# Altium PCB Archimajor.PcbDoc (part 7 of 13) (continued)
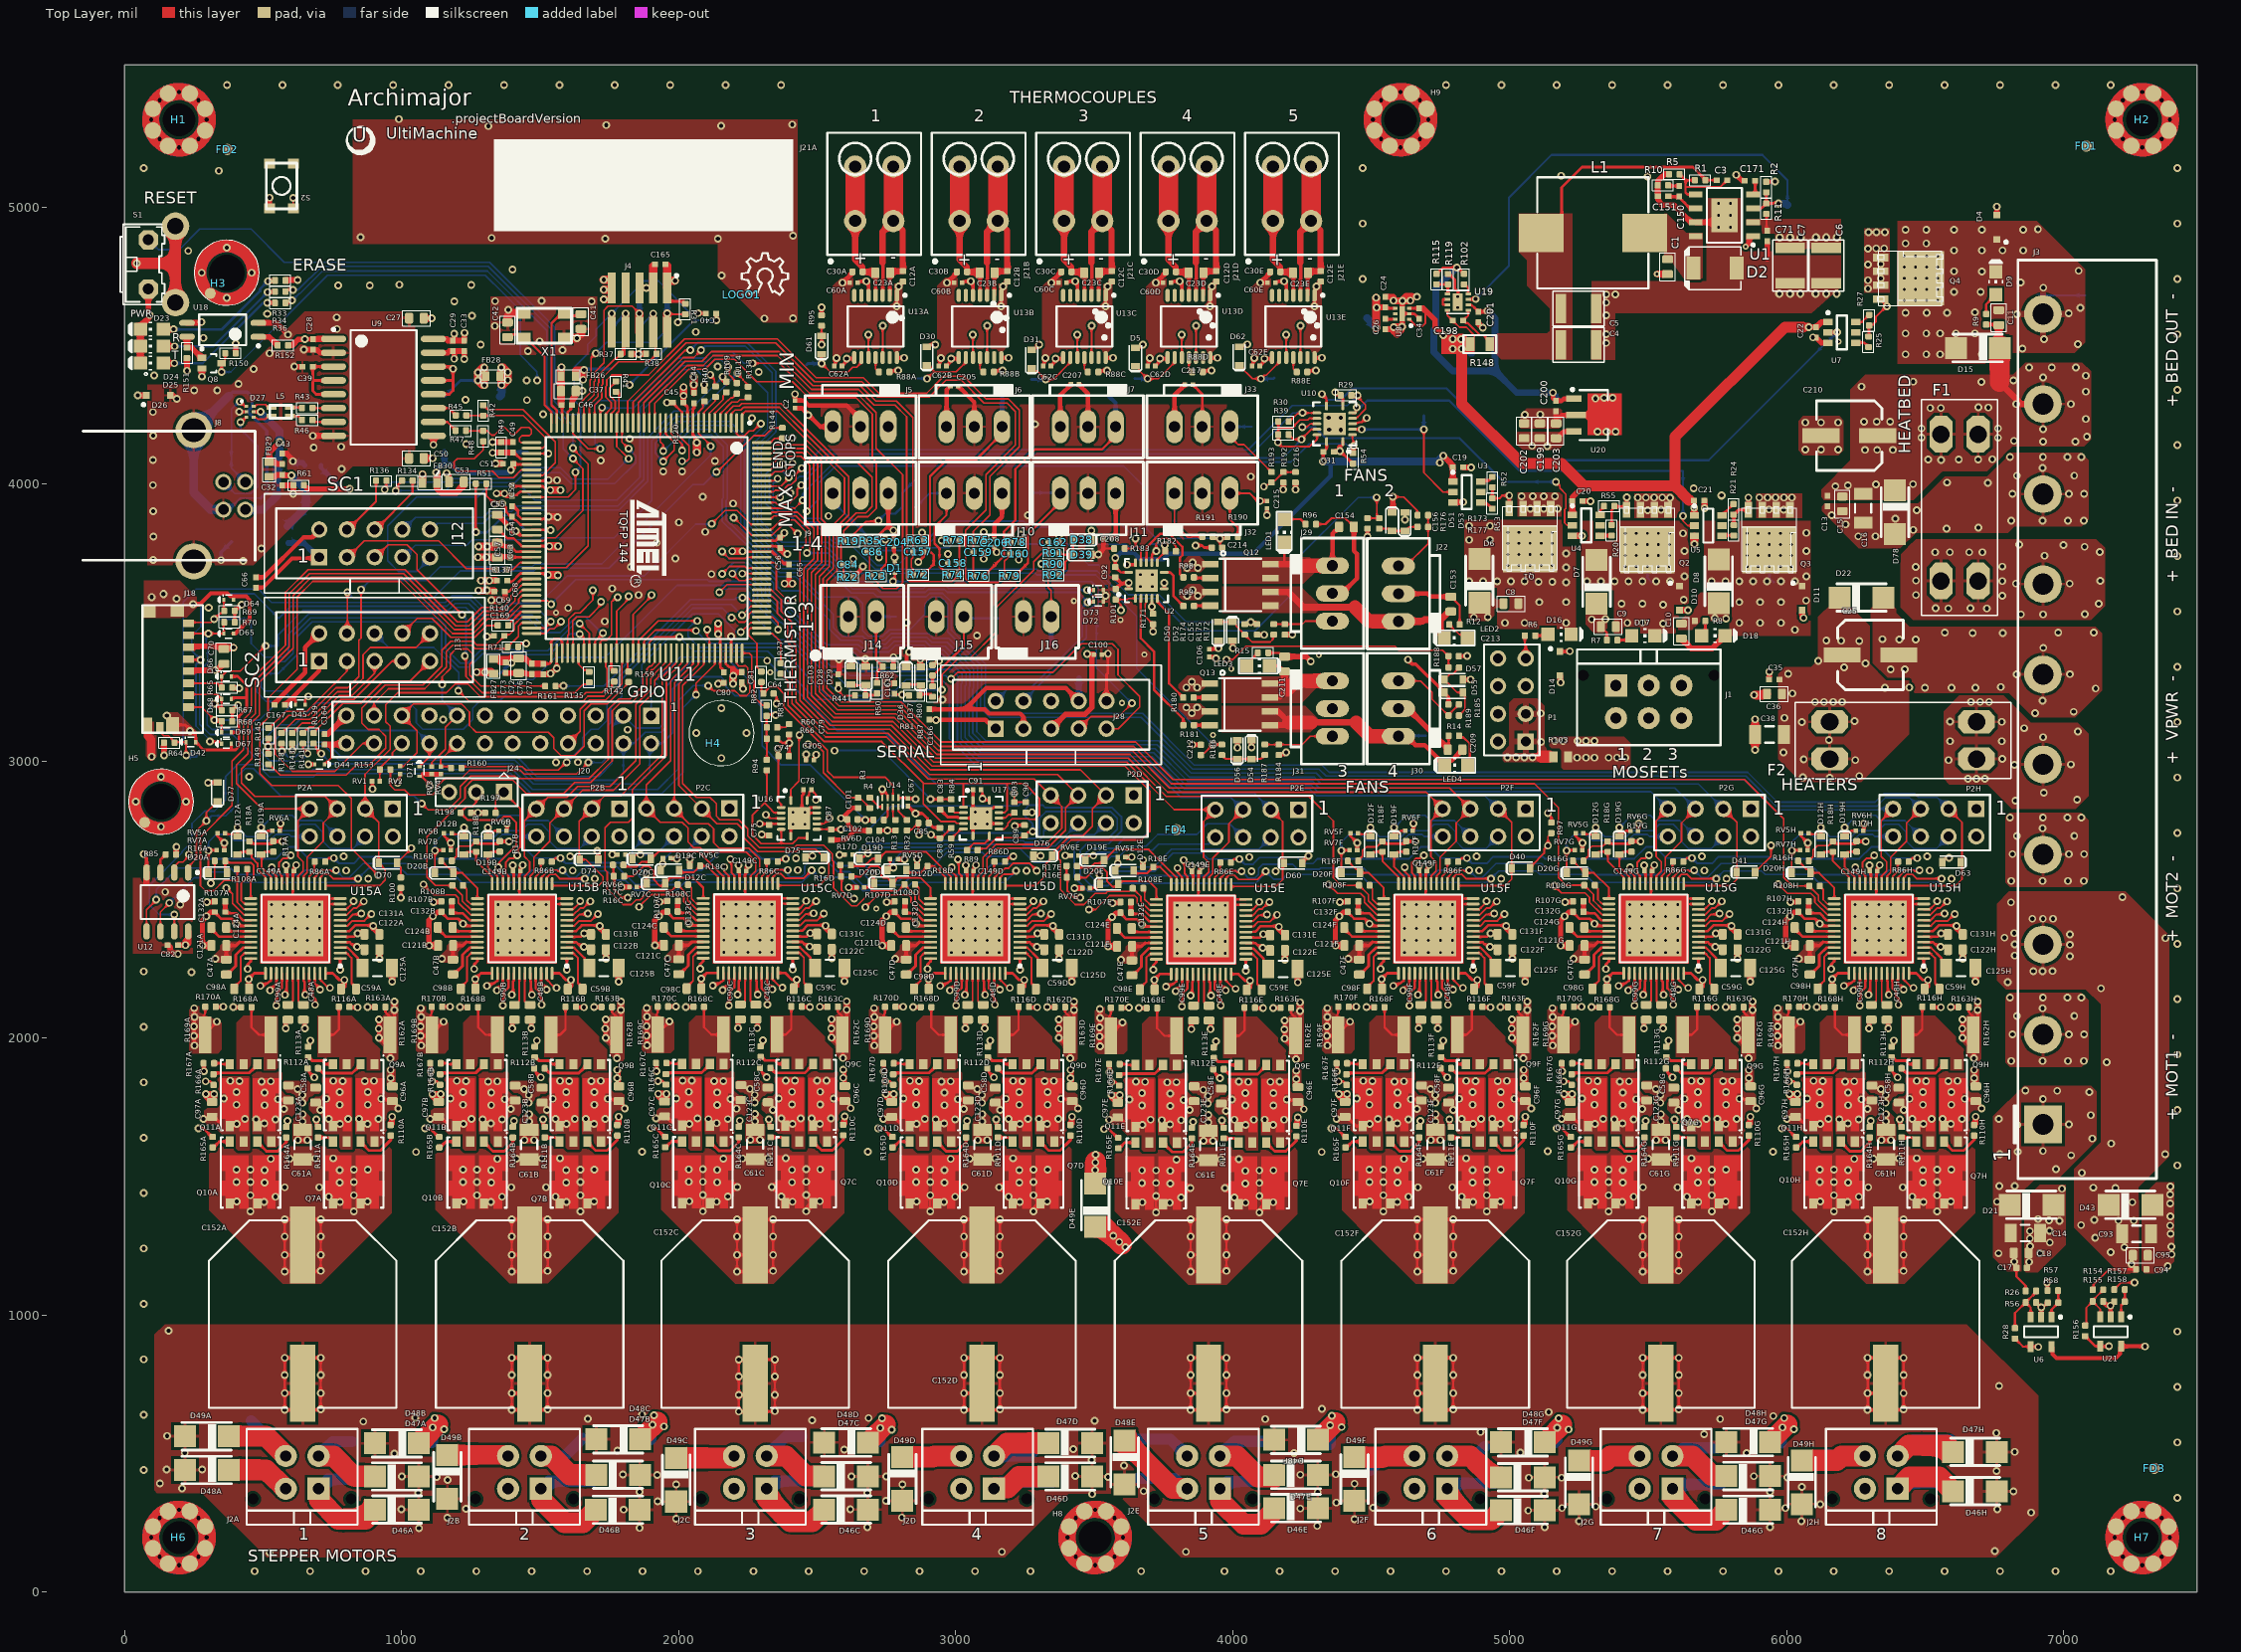
[diagram p0: Top Layer view]
## Nets (pads, with @x,y where several pads share a name; then routed paths per layer and width w, separated by ;. In a path a pad name is that pad's centre, name@x,y a point inside that pad or via, vN(x,y) a via of type N, cw(c..) or ccw(c..) an arc to the next point about the centre after c; other vN are vias at no path point) (continued)
  Top Layer w6.55: U13A.12@2736.81,4456.26 v1(2736.81,4571.24) ; U13B.12@3113.8,4456.26 v1(3113.8,4571.24) ; U13C.12@3490.8,4456.26 v1(3490.8,4571.24) ; U13D.12@3867.8,4456.26 v1(3867.8,4571.24) ; U13E.12@4244.8,4456.26 v1(4244.8,4571.24)
  Mid1 w10.1: v1(2562.99,3037.4) 2628.32,3102.73 2933.77,3102.73 3130.62,3299.58 3799.94,3299.58 4634.12,4133.76 4634.12,4324.5 4599.54,4359.07 4387.38,4571.24 v1(4244.8,4571.24) ; v1@2736.81,4572.22 3113.81,4572.22 3490.8,4572.22 3867.81,4572.22 v1@4244.8,4572.22
  Bottom Layer w6: v1@2562.99,3037.77 2733.97,3037.77 v1(2909.17,2862.57)
MOT_SD_MODE: J24.1 R197.1 U15A.21 U15B.21 U15C.21 U15D.21 U15E.21 U15F.21 U15G.21 U15H.21 | length 7452.8
  Top Layer w7: U15A.21@568.2,2556.51 568.2,2585.52 557.98,2595.74 557.98,2633.77 572.92,2648.71 586.31,2648.71 596.46,2658.86 v1(600.39,2658.86) v1@602.06,2660.52 ; R197.1@1339.76,2812.6 1339.76,2857.48 J24.1@1369.68,2887.4 1428.41,2828.67 1428.41,2688.22 1419,2678.81 v1@1419,2659.55 ; U15B.21@1386.12,2556.51 1386.12,2585.52 1375.9,2595.74 1375.9,2633.77 1390.83,2648.71 1404.22,2648.71 1414.37,2658.86 v1(1418.31,2658.86) v1@1419,2659.55 ; v1@1419.97,2660.52 v1@1419,2659.55 ; v1@2191.17,2642.49 2191.17,2596.7 2201.39,2586.48 U15C.21@2201.39,2557.47 ; v1@3011.72,2641.54 3011.72,2595.74 3021.94,2585.52 U15D.21@3021.94,2556.51 ; v1@3826.99,2638.56 3826.99,2592.77 3837.22,2582.55 U15E.21@3837.22,2553.53 ; U15F.21@4657.77,2556.51 4657.77,2585.52 4647.55,2595.74 4647.55,2633.77 4662.49,2648.71 4675.87,2648.71 4686.02,2658.86 v1(4689.96,2658.86) v1@4691.62,2660.52 ; U15G.21@5470.77,2556.51 5470.77,2585.52 5460.55,2595.74 5460.55,2633.77 5475.49,2648.71 5488.87,2648.71 5499.02,2658.86 v1(5502.96,2658.86) v1@5504.62,2660.52 ; U15H.21@6283.77,2556.51 6283.77,2585.52 6273.55,2595.74 6273.55,2633.77 6288.49,2648.71 6301.87,2648.71 6312.02,2658.86 v1(6315.96,2658.86) v1@6317.62,2660.52
  Mid1 w7: v1(600.39,2658.86) 704.72,2658.86 728.35,2682.48 823.82,2682.48 875.98,2630.31 1281.5,2630.31 1310.04,2658.86 v1(1418.31,2658.86) 1522.64,2658.86 1546.26,2682.48 1641.73,2682.48 1693.9,2630.31 1785.24,2630.31 1846.78,2568.78 2027.26,2568.78 2059.47,2600.98 2111.75,2600.98 2160.42,2649.65 2187.32,2649.65 2276.62,2649.65 2346.61,2579.66 2546.67,2579.66 2563.1,2596.09 2665.92,2596.09 2692.12,2569.89 2849.89,2569.89 2880.03,2600.02 2932.31,2600.02 2980.98,2648.69 3007.87,2648.69 3097.17,2648.69 3167.17,2578.7 3362.73,2578.7 3377.14,2593.11 3480.97,2593.11 3509.24,2564.84 3663.09,2564.84 3695.3,2597.05 3747.58,2597.05 3796.25,2645.72 3823.14,2645.72 3912.44,2645.72 3982.44,2575.72 4178,2575.72 4232.6,2630.31 4553.15,2630.31 4581.69,2658.86 v1(4689.96,2658.86) 4794.29,2658.86 4817.91,2682.48 4913.39,2682.48 4965.55,2630.31 5366.15,2630.31 5394.69,2658.86 v1(5502.96,2658.86) 5607.29,2658.86 5630.91,2682.48 5726.39,2682.48 5778.55,2630.31 6179.15,2630.31 6207.69,2658.86 v1(6315.96,2658.86)
  other v1: 3823.14,2642.1 3007.87,2645.08 2187.32,2646.04
MOT_SPI_MODE: J24.2 R198.1 U15A.22 U15B.22 U15C.22 U15D.22 U15E.22 U15F.22 U15G.22 U15H.22 | length 7126.7
  Top Layer w7: v1@531,2616.16 531,2601.52 548.52,2584 U15A.22@548.52,2556.51 ; R198.1@1212.37,2813.4 1234.87,2835.9 1255.93,2835.9 1269.68,2849.65 J24.2@1269.68,2887.4 ; R198.1@1213.37,2812.4 1239.11,2786.66 1357.44,2786.66 1370.41,2799.63 1391.53,2799.63 1413.41,2777.75 1413.41,2694.44 1352.84,2633.86 1352.84,2619.1 v1(1349.9,2616.16) ; v1@1348.91,2616.16 1348.91,2601.52 1366.43,2584 U15B.22@1366.43,2556.51 ; v1@2164.18,2617.12 2164.18,2602.47 2181.7,2584.95 U15C.22@2181.7,2557.47 ; v1@2984.74,2616.16 2984.74,2601.52 3002.26,2584 U15D.22@3002.26,2556.51 ; v1@3800.01,2613.18 3800.01,2598.54 3817.53,2581.02 U15E.22@3817.53,2553.53 ; v1@4620.57,2616.16 4620.57,2601.52 4638.09,2584 U15F.22@4638.09,2556.51 ; v1@5433.57,2616.16 5433.57,2601.52 5451.09,2584 U15G.22@5451.09,2556.51 ; v1@6246.57,2616.16 6246.57,2601.52 6264.09,2584 U15H.22@6264.09,2556.51
  Mid1 w7: v1(531.98,2616.16) 531.38,2615.55 558.56,2588.37 723.8,2588.37 735.75,2576.42 808.31,2576.42 847.44,2615.55 v1@1349.29,2615.55 ; v1(1349.9,2616.16) v1@1349.29,2615.55 ; v1(2165.17,2617.12) v1@2164.56,2616.51 ; v1(2985.72,2616.16) v1@2985.12,2615.55 ; v1(3801,2613.18) v1@3800.39,2612.57 ; v1(4621.55,2616.16) v1@4620.94,2615.55 ; v1(5434.55,2616.16) v1@5433.94,2615.55 ; v1(6247.55,2616.16) 6246.94,2615.55 5750.01,2615.55 5710.88,2576.42 5638.32,2576.42 5626.37,2588.37 5461.13,2588.37 v1@5433.94,2615.55 ; v1@1349.29,2615.55 1376.47,2588.37 1541.72,2588.37 1553.66,2576.42 1626.22,2576.42 1658.44,2608.64 1787.12,2608.64 1840.98,2554.78 2033.06,2554.78 2065.27,2586.98 2135.04,2586.98 v1@2164.56,2616.51 ; v1@2164.56,2616.51 2215.42,2565.66 2552.47,2565.66 2568.9,2582.09 2660.12,2582.09 2665.61,2576.59 2665.61,2576.37 2686.09,2555.89 2855.69,2555.89 2885.83,2586.02 2955.59,2586.02 v1@2985.12,2615.55 ; v1@2985.12,2615.55 3035.97,2564.7 3369.76,2564.7 3384.17,2579.11 3475.17,2579.11 3503.44,2550.84 3668.89,2550.84 3701.1,2583.05 3770.86,2583.05 v1@3800.39,2612.57 ; v1@3800.39,2612.57 3851.24,2561.72 4192.96,2561.72 4246.79,2615.55 v1@4620.94,2615.55 ; v1@4620.94,2615.55 4648.13,2588.37 4813.37,2588.37 4825.32,2576.42 4897.88,2576.42 4937.01,2615.55 v1@5433.94,2615.55
NetC1_1: C1.1 U1.1 | length 447.7
  Top Layer w10: v2@5848.35,4860.71 v2(5852.35,4856.71)
  Top Layer w20: v2(5852.35,4856.71) 5864.34,4868.7 U1.1@5864.34,4893.62
  Top Layer w22: v2(5531.66,4757.6) C1.1@5570.05,4757.6
  Mid1 w22: v2(5531.66,4757.6) 5753.24,4757.6 v2(5852.35,4856.71)
NetC1_2: C1.2 D2.K L1.1 U1.8
NetC3_1: C3.1 R1.2 R5.2 U1.5 | length 310.5
  Top Layer w8: R5.2@5613.14,5118.03 5634.79,5096.38 ; R1.2@5668.65,5096.38 5634.79,5096.38 ; U1.5@5672,5044.71 5641.87,5044.71 5634.79,5051.79 5634.79,5069.8 ; C3.1@5785.09,5096.38 5761.09,5072.38 5637.37,5072.38 5634.79,5069.8 ; 5634.79,5069.8 5634.79,5096.38
NetC3_2: C3.2 C4.2 C5.2 C198.2 L1.2 R1.1 R148.1 U19.1 | length 956.9
  Top Layer w7: U19.1@4850.35,4626.98 4850.35,4607.91 C198.2@4831.95,4589.51 4841.45,4580.01 4849.96,4580.01 4892.46,4537.51 4904.95,4537.51 4927.96,4514.5 R148.1@4927.96,4504.57 ; R1.1@5706.54,5096.38 C3.2@5747.39,5096.38
  Top Layer w10: L1.2@5188.16,4909.37 5188.16,5070.32 5261.46,5143.62 5661.07,5143.62 R1.1@5707.43,5097.26
  Top Layer w30: C5.2@5182.25,4498.94 C5.2@5185.2,4501.89
NetC12A_1: C12A.1 C23A.2 J21A.2 TP23A.1 U13A.2 U13A.3 | length 904.3
  Top Layer w12: 2736.32,4799.58 2738.6,4797.3 2738.6,4740.19 2736.81,4738.39 U13A.3@2736.81,4680.67 ; U13A.2@2762.4,4680.67 2762.99,4681.26 2762.99,4761.73 C23A.2@2763.52,4762.26
  Top Layer w22: 2736.32,4799.58 2736.32,4910.04 J21A.2@2775.4,4949.12 2809.5,4915.02 C12A.1@2809.5,4767.96 ; C23A.2@2763.58,4762.26 2769.28,4767.96 C12A.1@2809.5,4767.96 ; C12A.1@2809.99,4767.96 C12A.1@2809.5,4767.96
  Top Layer w70: J21A.2@2775.4,4949.12 J21A.2@2775.4,5145.97
  Bottom Layer w8: J21A.2@2775.4,4949.12 2777.58,4951.3 TP23A.1@2777.58,5043.23
NetC12B_1: C12B.1 C23B.2 J21B.2 TP23B.1 U13B.2 U13B.3 | length 903.6
  Top Layer w12: 3113.32,4799.58 3115.6,4797.3 3115.6,4740.19 3113.8,4738.39 U13B.3@3113.8,4680.67 ; U13B.2@3139.39,4680.67 3139.99,4681.26 3139.99,4761.73 C23B.2@3140.51,4762.26
  Top Layer w22: 3113.32,4799.58 3113.32,4910.04 J21B.2@3152.4,4949.12 3186.5,4915.02 C12B.1@3186.5,4767.96 ; C23B.2@3140.58,4762.26 3146.28,4767.96 C12B.1@3186.5,4767.96 ; C12B.1@3186.99,4767.96 C12B.1@3186.5,4767.96
  Top Layer w70: J21B.2@3152.4,4949.12 J21B.2@3152.4,5145.97
  Bottom Layer w8: TP23B.1@3151.98,5043.23 3151.98,4949.54 J21B.2@3152.4,4949.12
NetC12C_1: C12C.1 C23C.2 J21C.2 TP23C.1 U13C.2 U13C.3 | length 903.7
  Top Layer w12: 3490.32,4799.58 3492.6,4797.3 3492.6,4740.19 3490.8,4738.39 U13C.3@3490.8,4680.67 ; U13C.2@3516.39,4680.67 3516.98,4681.26 3516.98,4761.73 C23C.2@3517.51,4762.26
  Top Layer w22: 3490.32,4799.58 3490.32,4910.04 J21C.2@3529.4,4949.12 3563.5,4915.02 C12C.1@3563.5,4767.96 ; C23C.2@3517.57,4762.26 3523.27,4767.96 C12C.1@3563.5,4767.96 ; C12C.1@3563.98,4767.96 C12C.1@3563.5,4767.96
  Top Layer w70: J21C.2@3529.4,4949.12 J21C.2@3529.4,5145.97
  Bottom Layer w8: TP23C.1@3528.72,5043.23 3528.72,4949.8 J21C.2@3529.4,4949.12
NetC12D_1: C12D.1 C23D.2 J21D.2 TP23D.1 U13D.2 U13D.3 | length 903.7
  Top Layer w12: 3867.32,4799.58 3869.6,4797.3 3869.6,4740.19 3867.8,4738.39 U13D.3@3867.8,4680.67 ; U13D.2@3893.39,4680.67 3893.98,4681.26 3893.98,4761.73 C23D.2@3894.51,4762.26
  Top Layer w22: 3867.32,4799.58 3867.32,4910.04 J21D.2@3906.4,4949.12 3940.5,4915.02 C12D.1@3940.5,4767.96 ; C23D.2@3894.57,4762.26 3900.27,4767.96 C12D.1@3940.5,4767.96 ; C12D.1@3940.98,4767.96 C12D.1@3940.5,4767.96
  Top Layer w70: J21D.2@3906.4,4949.12 J21D.2@3906.4,5145.97
  Bottom Layer w8: J21D.2@3906.4,4949.12 3907.02,4949.74 TP23D.1@3907.02,5043.23
NetC12E_1: C12E.1 C23E.2 J21E.2 TP23E.1 U13E.2 U13E.3 | length 903.5
  Top Layer w12: 4244.31,4799.58 4246.59,4797.3 4246.59,4740.19 4244.8,4738.39 U13E.3@4244.8,4680.67 ; U13E.2@4270.39,4680.67 4270.98,4681.26 4270.98,4761.73 C23E.2@4271.51,4762.26
  Top Layer w22: 4244.31,4799.58 4244.31,4910.04 J21E.2@4283.39,4949.12 4317.5,4915.02 C12E.1@4317.5,4767.96 ; C23E.2@4271.57,4762.26 4277.27,4767.96 C12E.1@4317.5,4767.96 ; C12E.1@4317.98,4767.96 C12E.1@4317.5,4767.96
  Top Layer w70: J21E.2@4283.39,4949.12 J21E.2@4283.39,5145.97
  Bottom Layer w8: J21E.2@4283.39,4949.12 4283.39,5042.86 TP23E.1@4283.76,5043.23
NetC23A_1: C23A.1 C30A.2 J21A.1 TP24A.1 U13A.4 | length 614.5
  Top Layer w12: U13A.4@2711.22,4680.67 C23A.1@2711.22,4762.26
  Top Layer w22: J21A.1@2637.61,4949.12 2637.61,4809.44 2664.2,4782.84 C30A.2@2664.2,4765.26 ; C30A.2@2664.69,4765.26 2707.03,4765.26 C23A.1@2710.03,4762.26
  Top Layer w70: J21A.1@2637.61,4949.12 J21A.1@2637.61,5145.97
  Bottom Layer w8: J21A.1@2637.61,4949.12 2638.74,4950.25 TP24A.1@2638.74,5043.23
NetC23B_1: C23B.1 C30B.2 J21B.1 TP24B.1 U13B.4 | length 614.7
  Top Layer w12: U13B.4@3088.21,4680.67 C23B.1@3088.21,4762.26
  Top Layer w22: J21B.1@3014.6,4949.12 3014.6,4809.44 3041.2,4782.84 C30B.2@3041.2,4765.26 ; C30B.2@3041.69,4765.26 3084.03,4765.26 C23B.1@3087.03,4762.26
  Top Layer w70: J21B.1@3014.6,4949.12 J21B.1@3014.6,5145.97
  Bottom Layer w8: J21B.1@3014.6,4949.12 3016.26,4950.77 TP24B.1@3016.26,5043.23
NetC23C_1: C23C.1 C30C.2 J21C.1 TP24C.1 U13C.4 | length 614.3
  Top Layer w12: U13C.4@3465.21,4680.67 C23C.1@3465.21,4762.26
  Top Layer w22: J21C.1@3391.6,4949.12 3391.6,4809.44 3418.2,4782.84 C30C.2@3418.2,4765.26 ; C30C.2@3418.68,4765.26 3461.03,4765.26 C23C.1@3464.03,4762.26
  Top Layer w70: J21C.1@3391.6,4949.12 J21C.1@3391.6,5145.97
  Bottom Layer w8: J21C.1@3391.6,4949.12 3392.22,4949.74 TP24C.1@3392.22,5043.23
NetC23D_1: C23D.1 C30D.2 J21D.1 TP24D.1 U13D.4 | length 614.8
  Top Layer w12: U13D.4@3842.21,4680.67 C23D.1@3842.21,4762.26
  Top Layer w22: J21D.1@3768.6,4949.12 3768.6,4809.44 3795.2,4782.84 C30D.2@3795.2,4765.26 ; C30D.2@3795.68,4765.26 3838.03,4765.26 C23D.1@3841.03,4762.26
  Top Layer w70: J21D.1@3768.6,4949.12 J21D.1@3768.6,5145.97
  Bottom Layer w8: J21D.1@3768.6,4949.12 3770.52,4951.04 TP24D.1@3770.52,5043.23
NetC23E_1: C23E.1 C30E.2 J21E.1 TP24E.1 U13E.4 | length 614.4
  Top Layer w12: U13E.4@4219.21,4680.67 C23E.1@4219.21,4762.26
  Top Layer w22: J21E.1@4145.6,4949.12 4145.6,4809.44 4172.2,4782.84 C30E.2@4172.2,4765.26 ; C30E.2@4172.68,4765.26 4215.03,4765.26 C23E.1@4218.03,4762.26
  Top Layer w70: J21E.1@4145.6,4949.12 J21E.1@4145.6,5145.97
  Bottom Layer w8: J21E.1@4145.6,4949.12 4146.48,4950 TP24E.1@4146.48,5043.23
NetC26_1: C26.1 U8.6 | length 36.5
  Top Layer w8: C26.1@4550.87,4596.44 4552.61,4594.7 U8.6@4586.68,4594.7
NetC41_2: C41.2 U11.35 X1.3 | length 473.9
  Top Layer w8: 1542,4579.96 1542,4284.19 1560.2,4265.99 U11.35@1560.2,4219.98 ; 1541.98,4579.98 1568.59,4606.6 C41.2@1637.29,4606.6
NetC42_2: C42.2 U11.36 X1.1 | length 415.5
  Top Layer w8: C42.2@1387.27,4539.61 X1.1@1445.41,4539.61 ; X1.1@1442.14,4527.69 X1.1@1447.48,4527.69 ; X1.1@1453.22,4527.69 X1.1@1447.48,4527.69 ; U11.36@1540.51,4219.98 1540.51,4260.21 1516.23,4284.49 1516.23,4458.94 X1.1@1447.48,4527.69
NetC43_2: C43.2 D27.5 FB29.2 J8.1 TP61.1 | length 637.4
  Top Layer w10: D27.5@466.27,4260.34 489,4260.34 489,4259.34 v1@492,4259.34
  Top Layer w20: v1(560.04,4150.84) 523.46,4114.25 FB29.2@523.46,4078.12 543.78,4078.12 543.78,4075.74 547.04,4072.48 C43.2@569.6,4072.48
  Top Layer w25: J8.1@436,3907.53 J8.1@437.31,3906.22
  Bottom Layer w29: J8.1@436,3907.53 501,3907.53 550.15,3956.68 550.15,4067.52 TP61.1@554.13,4071.5 554.13,4095.89 560,4101.75 560,4190.53 514.09,4236.43 ; v1(492,4260.34) 492,4256.34 513,4235.34
NetC47A_1: C47A.1 U15A.34 | length 150.8
  Top Layer w8: 428.67,2326.2 U15A.34@456,2326.2
  Top Layer w10: C47A.1@369.48,2227.28 402,2259.8 402,2299.53 428.67,2326.2
NetC47B_1: C47B.1 U15B.34 | length 150.8
  Top Layer w8: 1246.58,2326.2 U15B.34@1273.91,2326.2
  Top Layer w10: C47B.1@1187.4,2227.28 1219.91,2259.8 1219.91,2299.53 1246.58,2326.2
NetC47C_1: C47C.1 U15C.34 | length 150.8
  Top Layer w8: 2061.85,2327.16 U15C.34@2089.18,2327.16
  Top Layer w10: C47C.1@2002.67,2228.24 2035.18,2260.75 2035.18,2300.49 2061.85,2327.16
NetC47D_1: C47D.1 U15D.34 | length 150.8
  Top Layer w8: 2882.41,2326.2 U15D.34@2909.74,2326.2
  Top Layer w10: C47D.1@2823.22,2227.28 2855.74,2259.8 2855.74,2299.53 2882.41,2326.2
NetC47E_1: C47E.1 U15E.34 | length 150.8
  Top Layer w8: 3697.68,2323.22 U15E.34@3725.01,2323.22
  Top Layer w10: C47E.1@3638.49,2224.3 3671.01,2256.82 3671.01,2296.55 3697.68,2323.22
NetC47F_1: C47F.1 U15F.34 | length 150.8
  Top Layer w8: 4518.24,2326.2 U15F.34@4545.57,2326.2
  Top Layer w10: C47F.1@4459.05,2227.28 4491.57,2259.8 4491.57,2299.53 4518.24,2326.2
NetC47G_1: C47G.1 U15G.34 | length 150.8
  Top Layer w8: 5331.24,2326.2 U15G.34@5358.57,2326.2
  Top Layer w10: C47G.1@5272.05,2227.28 5304.57,2259.8 5304.57,2299.53 5331.24,2326.2
NetC47H_1: C47H.1 U15H.34 | length 150.8
  Top Layer w8: 6144.24,2326.2 U15H.34@6171.57,2326.2
  Top Layer w10: C47H.1@6085.05,2227.28 6117.57,2259.8 6117.57,2299.53 6144.24,2326.2
NetC49_1: C49.1 R49.2 TP32.1 U11.40 | length 273.8
  Top Layer w9: C49.1@1406.34,4113.53 1429.8,4090.06 U11.40@1469.65,4090.06
  Top Layer w10: v1(1329,4112.53) v1@1330,4113.53 ; C49.1@1401.3,4113.53 C49.1@1402,4112.83
  Top Layer w20: v1@1330,4113.53 R49.2@1360,4113.53 C49.1@1401.3,4113.53
  Bottom Layer w12: v1(1329,4112.53) 1331.48,4115.01 TP32.1@1455,4115.01
NetC64_2: C64.2 R82.1 U14.2 | length 789
  Top Layer w6: R82.1@2298.1,3284.62 R82.1@2298.93,3284.62 2298.93,3250.37 C64.2@2305.82,3243.48 ; R82.1@2301.68,3287.77 R82.1@2301.68,3288.73
  Top Layer w6.5: C64.2@2305.82,3243.48 2305.82,3243.86 2314.2,3252.23 2314.57,3252.23 2330.43,3268.09 2355.03,3268.09 2381.04,3242.08 2381.04,3194.75 2500.88,3074.91 2501.02,3074.91 2537.14,3038.79 2537.14,2963.68 2559.51,2941.31 2744.8,2941.31 2774.35,2911.76 U14.2@2774.35,2866.82
NetC79_1: C79.1 R60.1 | length 48
  Top Layer w6.55: R60.1@2356.22,3121.43 2386.76,3121.43 2398.57,3133.24 C79.1@2399.33,3133.24
NetC124A_1: C124A.1 U15A.32 | length 158
  Top Layer w9: C124A.1@310.92,2396.28 341.33,2365.86 456,2365.86 U15A.32@456,2365.57
NetC124A_2: C124A.2 U15A.31 | length 94.7
  Top Layer w9: C124A.2@366.83,2398.64 380.21,2385.25 U15A.31@456,2385.25
NetC124B_1: C124B.1 U15B.32 | length 158
  Top Layer w9: C124B.1@1128.83,2396.28 1159.25,2365.86 1273.91,2365.86 U15B.32@1273.91,2365.57
NetC124B_2: C124B.2 U15B.31 | length 94.7
  Top Layer w9: C124B.2@1184.74,2398.64 1198.13,2385.25 U15B.31@1273.91,2385.25
NetC124C_1: C124C.1 U15C.32 | length 158
  Top Layer w9: C124C.1@1944.11,2397.23 1974.52,2366.82 2089.18,2366.82 U15C.32@2089.18,2366.53
NetC124C_2: C124C.2 U15C.31 | length 94.7
  Top Layer w9: C124C.2@2000.01,2399.6 2013.4,2386.21 U15C.31@2089.18,2386.21
NetC124D_1: C124D.1 U15D.32 | length 158
  Top Layer w9: C124D.1@2764.66,2396.28 2795.07,2365.86 2909.74,2365.86 U15D.32@2909.74,2365.57
NetC124D_2: C124D.2 U15D.31 | length 94.7
  Top Layer w9: C124D.2@2820.57,2398.64 2833.95,2385.25 U15D.31@2909.74,2385.25
NetC124E_1: C124E.1 U15E.32 | length 158
  Top Layer w9: C124E.1@3579.93,2393.3 3610.35,2362.89 3725.01,2362.89 U15E.32@3725.01,2362.59
NetC124E_2: C124E.2 U15E.31 | length 94.7
  Top Layer w9: C124E.2@3635.84,2395.66 3649.22,2382.27 U15E.31@3725.01,2382.27
NetC124F_1: C124F.1 U15F.32 | length 158
  Top Layer w9: C124F.1@4400.49,2396.28 4430.9,2365.86 4545.57,2365.86 U15F.32@4545.57,2365.57
NetC124F_2: C124F.2 U15F.31 | length 94.7
  Top Layer w9: C124F.2@4456.39,2398.64 4469.78,2385.25 U15F.31@4545.57,2385.25
NetC124G_1: C124G.1 U15G.32 | length 158
  Top Layer w9: C124G.1@5213.49,2396.28 5243.9,2365.86 5358.57,2365.86 U15G.32@5358.57,2365.57
NetC124G_2: C124G.2 U15G.31 | length 94.7
  Top Layer w9: C124G.2@5269.39,2398.64 5282.78,2385.25 U15G.31@5358.57,2385.25
NetC124H_1: C124H.1 U15H.32 | length 158
  Top Layer w9: C124H.1@6026.49,2396.28 6056.9,2365.86 6171.57,2365.86 U15H.32@6171.57,2365.57
NetC124H_2: C124H.2 U15H.31 | length 94.7
  Top Layer w9: C124H.2@6082.39,2398.64 6095.78,2385.25 U15H.31@6171.57,2385.25
NetC125A_2: C125A.2 U15A.3 | length 123.5
  Top Layer w9: U15A.3@778.83,2326.2 805.14,2326.2 843.01,2288.33 843.01,2282.31 860.72,2264.59 C125A.2@860.72,2251.98
NetC125B_2: C125B.2 U15B.3 | length 123.5
  Top Layer w9: U15B.3@1596.75,2326.2 1623.05,2326.2 1660.92,2288.33 1660.92,2282.31 1678.64,2264.59 C125B.2@1678.64,2251.98
NetC125C_2: C125C.2 U15C.3 | length 123.5
  Top Layer w9: U15C.3@2412.02,2327.16 2438.32,2327.16 2476.19,2289.29 2476.19,2283.27 2493.91,2265.55 C125C.2@2493.91,2252.94
NetC125D_2: C125D.2 U15D.3 | length 123.5
  Top Layer w9: U15D.3@3232.57,2326.2 3258.88,2326.2 3296.75,2288.33 3296.75,2282.31 3314.46,2264.59 C125D.2@3314.46,2251.98
NetC125E_2: C125E.2 U15E.3 | length 123.5
  Top Layer w9: U15E.3@4047.85,2323.22 4074.15,2323.22 4112.02,2285.35 4112.02,2279.33 4129.74,2261.61 C125E.2@4129.74,2249.01
NetC125F_2: C125F.2 U15F.3 | length 123.5
  Top Layer w9: U15F.3@4868.4,2326.2 4894.7,2326.2 4932.57,2288.33 4932.57,2282.31 4950.29,2264.59 C125F.2@4950.29,2251.98
NetC125G_2: C125G.2 U15G.3 | length 123.5
  Top Layer w9: U15G.3@5681.4,2326.2 5707.7,2326.2 5745.57,2288.33 5745.57,2282.31 5763.29,2264.59 C125G.2@5763.29,2251.98
NetC125H_2: C125H.2 U15H.3 | length 123.5
  Top Layer w9: U15H.3@6494.4,2326.2 6520.7,2326.2 6558.57,2288.33 6558.57,2282.31 6576.29,2264.59 C125H.2@6576.29,2251.98
NetC131A_2: C131A.2 R107A.2 U15A.5 | length 745.9
  Top Layer w9: U15A.5@778.83,2365.57 829.82,2365.57 v1(841.63,2377.38)
  Top Layer w12: v1(297.73,2490.17) 324.01,2490.17 R107A.2@325.98,2492.14
  Top Layer w20: v1(841.63,2377.38) v1@842.22,2377.97
  Top Layer w24: v1@842.22,2377.97 C131A.2@863.48,2377.97
  Mid1 w12: v1(297.73,2490.17) 299.7,2490.17 312.5,2477.38 432.57,2477.38 463.09,2507.89 718.01,2507.89 827.26,2398.64 827.26,2391.75 v1(841.63,2377.38) v1@841.63,2372.46
  Mid1 w22: v1(841.63,2377.38) v1@843.2,2378.95
NetC131B_2: C131B.2 R107B.2 U15B.5 | length 745.9
  Top Layer w9: U15B.5@1596.75,2365.57 1647.73,2365.57 v1(1659.54,2377.38)
  Top Layer w12: v1(1115.65,2490.17) 1141.92,2490.17 R107B.2@1143.89,2492.14
  Top Layer w20: v1(1659.54,2377.38) v1@1660.13,2377.97
  Top Layer w24: v1@1660.13,2377.97 C131B.2@1681.39,2377.97
  Mid1 w12: v1(1115.65,2490.17) 1117.61,2490.17 1130.41,2477.38 1250.49,2477.38 1281,2507.89 1535.92,2507.89 1645.17,2398.64 1645.17,2391.75 v1(1659.54,2377.38) v1@1659.54,2372.46
  Mid1 w22: v1(1659.54,2377.38) v1@1661.12,2378.95
NetC131C_2: C131C.2 R107C.2 U15C.5 | length 745.9
  Top Layer w9: U15C.5@2412.02,2366.53 2463,2366.53 v1(2474.81,2378.34)
  Top Layer w12: v1(1930.92,2491.13) 1957.19,2491.13 R107C.2@1959.16,2493.1
  Top Layer w20: v1(2474.81,2378.34) v1@2475.4,2378.93
  Top Layer w24: v1@2475.4,2378.93 C131C.2@2496.66,2378.93
  Mid1 w12: v1(1930.92,2491.13) 1932.89,2491.13 1945.68,2478.34 2065.76,2478.34 2096.27,2508.85 2351.19,2508.85 2460.44,2399.6 2460.44,2392.71 v1(2474.81,2378.34) v1@2474.81,2373.42
  Mid1 w22: v1(2474.81,2378.34) v1@2476.39,2379.91
NetC131D_2: C131D.2 R107D.2 U15D.5 | length 745.9
  Top Layer w9: U15D.5@3232.57,2365.57 3283.56,2365.57 v1(3295.37,2377.38)
  Top Layer w12: v1(2751.47,2490.17) 2777.75,2490.17 R107D.2@2779.72,2492.14
  Top Layer w20: v1(3295.37,2377.38) v1@3295.96,2377.97
  Top Layer w24: v1@3295.96,2377.97 C131D.2@3317.22,2377.97
  Mid1 w12: v1(2751.47,2490.17) 2753.44,2490.17 2766.24,2477.38 2886.31,2477.38 2916.83,2507.89 3171.75,2507.89 3281,2398.64 3281,2391.75 v1(3295.37,2377.38) v1@3295.37,2372.46
  Mid1 w22: v1(3295.37,2377.38) v1@3296.94,2378.95
NetC131E_2: C131E.2 R107E.2 U15E.5 | length 745.9
  Top Layer w9: U15E.5@4047.85,2362.59 4098.83,2362.59 v1(4110.64,2374.4)
  Top Layer w12: v1(3566.74,2487.2) 3593.02,2487.2 R107E.2@3594.99,2489.16
  Top Layer w20: v1(4110.64,2374.4) v1@4111.23,2374.99
  Top Layer w24: v1@4111.23,2374.99 C131E.2@4132.49,2374.99
  Mid1 w12: v1(3566.74,2487.2) 3568.71,2487.2 3581.51,2474.4 3701.59,2474.4 3732.1,2504.91 3987.02,2504.91 4096.27,2395.66 4096.27,2388.77 v1(4110.64,2374.4) v1@4110.64,2369.48
  Mid1 w22: v1(4110.64,2374.4) v1@4112.22,2375.98
NetC131F_2: C131F.2 R107F.2 U15F.5 | length 735.3
  Top Layer w9: U15F.5@4868.4,2365.57 4919.39,2365.57 v1(4931.2,2377.38)
  Top Layer w12: v1(4387.3,2490.17) 4413.57,2490.17 R107F.2@4415.54,2492.14
  Top Layer w20: v1(4931.2,2377.38) v1@4931.79,2377.97
  Top Layer w24: v1@4931.79,2377.97 C131F.2@4953.05,2377.97
  Mid1 w12: v1(4387.3,2490.17) 4534.94,2490.17 4552.65,2507.89 4807.57,2507.89 4916.83,2398.64 4916.83,2391.75 v1(4931.2,2377.38) v1@4931.2,2372.46
  Mid1 w22: v1(4931.2,2377.38) v1@4932.77,2378.95
NetC131G_2: C131G.2 R107G.2 U15G.5 | length 735.3
  Top Layer w9: U15G.5@5681.4,2365.57 5732.39,2365.57 v1(5744.2,2377.38)
  Top Layer w12: v1(5200.3,2490.17) 5226.57,2490.17 R107G.2@5228.54,2492.14
  Top Layer w20: v1(5744.2,2377.38) v1@5744.79,2377.97
  Top Layer w24: v1@5744.79,2377.97 C131G.2@5766.05,2377.97
  Mid1 w12: v1(5200.3,2490.17) 5347.94,2490.17 5365.65,2507.89 5620.57,2507.89 5729.83,2398.64 5729.83,2391.75 v1(5744.2,2377.38) v1@5744.2,2372.46
  Mid1 w22: v1(5744.2,2377.38) v1@5745.77,2378.95
NetC131H_2: C131H.2 R107H.2 U15H.5 | length 735.3
  Top Layer w9: U15H.5@6494.4,2365.57 6545.39,2365.57 v1(6557.2,2377.38)
  Top Layer w12: v1(6013.3,2490.17) 6039.57,2490.17 R107H.2@6041.54,2492.14
  Top Layer w20: v1(6557.2,2377.38) v1@6557.79,2377.97
  Top Layer w24: v1@6557.79,2377.97 C131H.2@6579.05,2377.97
  Mid1 w12: v1(6013.3,2490.17) 6160.94,2490.17 6178.65,2507.89 6433.57,2507.89 6542.83,2398.64 6542.83,2391.75 v1(6557.2,2377.38) v1@6557.2,2372.46
  Mid1 w22: v1(6557.2,2377.38) v1@6558.77,2378.95
NetC132A_2: C132A.2 R107A.1 U15A.29 | length 141.3
  Top Layer w9: C132A.2@363.98,2450.8 403.12,2450.8 429.3,2424.62 U15A.29@456,2424.62
  Top Layer w10: C132A.2@363.87,2453.86 C132A.2@363.98,2453.76
  Top Layer w16: C132A.2@363.87,2453.86 R107A.1@363.87,2492.14
NetC132B_2: C132B.2 R107B.1 U15B.29 | length 141.3
  Top Layer w9: C132B.2@1181.89,2450.8 1221.04,2450.8 1247.22,2424.62 U15B.29@1273.91,2424.62
  Top Layer w10: C132B.2@1181.79,2453.86 C132B.2@1181.89,2453.76
  Top Layer w16: C132B.2@1181.79,2453.86 R107B.1@1181.79,2492.14
NetC132C_2: C132C.2 R107C.1 U15C.29 | length 141.3
  Top Layer w9: C132C.2@1997.16,2451.76 2036.31,2451.76 2062.49,2425.58 U15C.29@2089.18,2425.58
  Top Layer w10: C132C.2@1997.06,2454.82 C132C.2@1997.16,2454.72
  Top Layer w16: C132C.2@1997.06,2454.82 R107C.1@1997.06,2493.1
NetC132D_2: C132D.2 R107D.1 U15D.29 | length 141.3
  Top Layer w9: C132D.2@2817.72,2450.8 2856.86,2450.8 2883.04,2424.62 U15D.29@2909.74,2424.62
  Top Layer w10: C132D.2@2817.61,2453.86 C132D.2@2817.72,2453.76
  Top Layer w16: C132D.2@2817.61,2453.86 R107D.1@2817.61,2492.14
NetC132E_2: C132E.2 R107E.1 U15E.29 | length 141.3
  Top Layer w9: C132E.2@3632.99,2447.83 3672.13,2447.83 3698.31,2421.64 U15E.29@3725.01,2421.64
  Top Layer w10: C132E.2@3632.89,2450.88 C132E.2@3632.99,2450.78
  Top Layer w16: C132E.2@3632.89,2450.88 R107E.1@3632.89,2489.16
NetC132F_2: C132F.2 R107F.1 U15F.29 | length 141.3
  Top Layer w9: C132F.2@4453.54,2450.8 4492.69,2450.8 4518.87,2424.62 U15F.29@4545.57,2424.62
  Top Layer w10: C132F.2@4453.44,2453.86 C132F.2@4453.54,2453.76
  Top Layer w16: C132F.2@4453.44,2453.86 R107F.1@4453.44,2492.14
NetC132G_2: C132G.2 R107G.1 U15G.29 | length 141.3
  Top Layer w9: C132G.2@5266.54,2450.8 5305.69,2450.8 5331.87,2424.62 U15G.29@5358.57,2424.62
  Top Layer w10: C132G.2@5266.44,2453.86 C132G.2@5266.54,2453.76
  Top Layer w16: C132G.2@5266.44,2453.86 R107G.1@5266.44,2492.14
NetC132H_2: C132H.2 R107H.1 U15H.29 | length 141.3
  Top Layer w9: C132H.2@6079.54,2450.8 6118.69,2450.8 6144.87,2424.62 U15H.29@6171.57,2424.62
  Top Layer w10: C132H.2@6079.44,2453.86 C132H.2@6079.54,2453.76
  Top Layer w16: C132H.2@6079.44,2453.86 R107H.1@6079.44,2492.14
NetC150_1: C150.1 R10.2 | length 40.9
  Top Layer w10: R10.2@5572.35,5077.71 5574.5,5075.56 C150.1@5612.35,5075.56
NetC150_2: C150.2 C151.2 U1.6 | length 131.4
  Top Layer w10: C151.2@5573.2,5036.71 5609.35,5036.71 5622.05,5024.01 ; 5622.05,5023.58 5629.66,5015.96 ; U1.6@5672,4994.71 5650.91,4994.71 5640.35,5005.27 ; 5629.66,5015.96 5630.09,5015.96 5640.35,5005.7 5640.35,5005.27 ; 5629.66,5015.96 5640.35,5005.27
NetC153_2: C153.2 J22.1 LED2.C Q12.5 | length 897.9
  Top Layer w24: Q12.5@4137.06,3610.29 4200.82,3610.29 4256.39,3554.72 4441.43,3554.72 4441.65,3554.5 ; J22.1@4598.42,3503.74 4686.16,3503.74 4692.62,3510.2 4751,3510.2 ; LED2.C@4764.07,3444.33 4752.07,3456.33 4752.07,3473.72 4751,3474.79 4751,3510.2 ; C153.2@4788.11,3539.54 4785.54,3536.98 4777.78,3536.98 4751,3510.2
  Top Layer w50: 4441.65,3554.5 4492.41,3503.74 J22.1@4598.42,3503.74
  Bottom Layer w8: 4482,3503.32 J22.1@4598.01,3503.32
  Bottom Layer w50: J22.1@4598.01,3503.32 J22.1@4598.42,3503.74
NetC154_2: C154.2 J29.1 LED1.C Q12.7 TP8.TP | length 545.8
  Top Layer w8: 4186.73,3710.29 LED1.C@4186.73,3789.08 ; C154.2@4384.37,3840.73 C154.2@4384.37,3844.86
  Top Layer w16: J29.1@4360.24,3704.72 4360.24,3820.73 4369.81,3830.3 4373.94,3830.3 C154.2@4384.37,3840.73
  Top Layer w24: Q12.7@4137.06,3710.29 4186.73,3710.29 4234.93,3710.29 4240.49,3704.72
  Top Layer w50: 4240.49,3704.72 J29.1@4360.24,3704.72
  Bottom Layer w8: J29.1@4360.24,3704.72 TP8.TP@4360.24,3793.68
NetC169_1: C169.1 R149.2 U11.69 | length 1475.5
  Top Layer w6: R149.2@522,2988.53 561.88,2948.65 800.33,2948.65 837.22,2985.53 882.61,2985.53 942.99,3045.91 942.99,3089.22 918.69,3113.53 880,3113.53 857,3136.53 857,3190.53 941,3274.53 1078,3274.53 1146,3342.53 1146,3399.53 1178.48,3432.01 1258.59,3432.01 1271.82,3418.77 1339.38,3418.77 C169.1@1365.46,3444.84 ; C169.1@1370,3456.53 1389.88,3456.53 1407.9,3474.55 1407.9,3493.43 1433.67,3519.2 U11.69@1469.65,3519.2
NetC171_2: C171.2 U1.4 | length 55.1
  Top Layer w10: U1.4@5878.69,5044.71 5886.2,5052.21 C171.2@5886.2,5096.71
NetC209_2: C209.2 J30.1 LED4.C Q13.5 TP17.TP | length 974.6
  Top Layer w16: J30.1@4598.42,3088.98 4628.28,3088.98 4659.8,3057.46 4692.96,3057.46 LED4.C@4765.79,2984.62 4781.79,3000.62 4789.54,3000.62 4817.96,3029.04 4823.07,3029.04 4829.64,3035.61 C209.2@4829.64,3040.72
  Top Layer w20: Q13.5@4134.59,3129.13 4194.43,3129.13 4204.27,3138.98 4164.11,3179.13 Q13.5@4134.59,3179.13
  Top Layer w24: 4283.18,3138.98 4446.74,3138.98
  Top Layer w50: 4204.27,3138.98 4283.18,3138.98 ; 4446.74,3138.98 4496.74,3088.98 J30.1@4598.42,3088.98
  Bottom Layer w8: J30.1@4598.42,3088.98 4600.37,3090.92 TP17.TP@4696.57,3090.92
NetC211_2: C211.2 J31.1 LED3.C Q13.7 TP18.TP | length 556.3
  Top Layer w8: LED3.C@4133.25,3342.89 4167.34,3342.89 4173.15,3337.08 4173.15,3333.44 4183.58,3323.01 C211.2@4187.71,3323.01
  Top Layer w20: Q13.7@4134.59,3229.13 4136.59,3231.13 4170.44,3231.13 4196.57,3257.26 4185.25,3268.58 ; Q13.7@4134.59,3279.13 4136.59,3277.13 4176.7,3277.13 4185.25,3268.58 ; C211.2@4187.71,3323.01 4187.71,3271.04 4185.25,3268.58
  Top Layer w50: 4196.57,3257.26 4228.29,3288.98 J31.1@4360.24,3288.98
  Bottom Layer w8: TP18.TP@4245.78,3288.76 4360.01,3288.76 J31.1@4360.24,3288.98
NetD9_A: D9.A R9.1 | length 84
  Top Layer w8: R9.1@6720.19,4613.31 6720.19,4648.55 D9.A@6754.64,4683